# Allegro board 1119394-C028P02-36-DE2-C01_pcb.brd (continued)
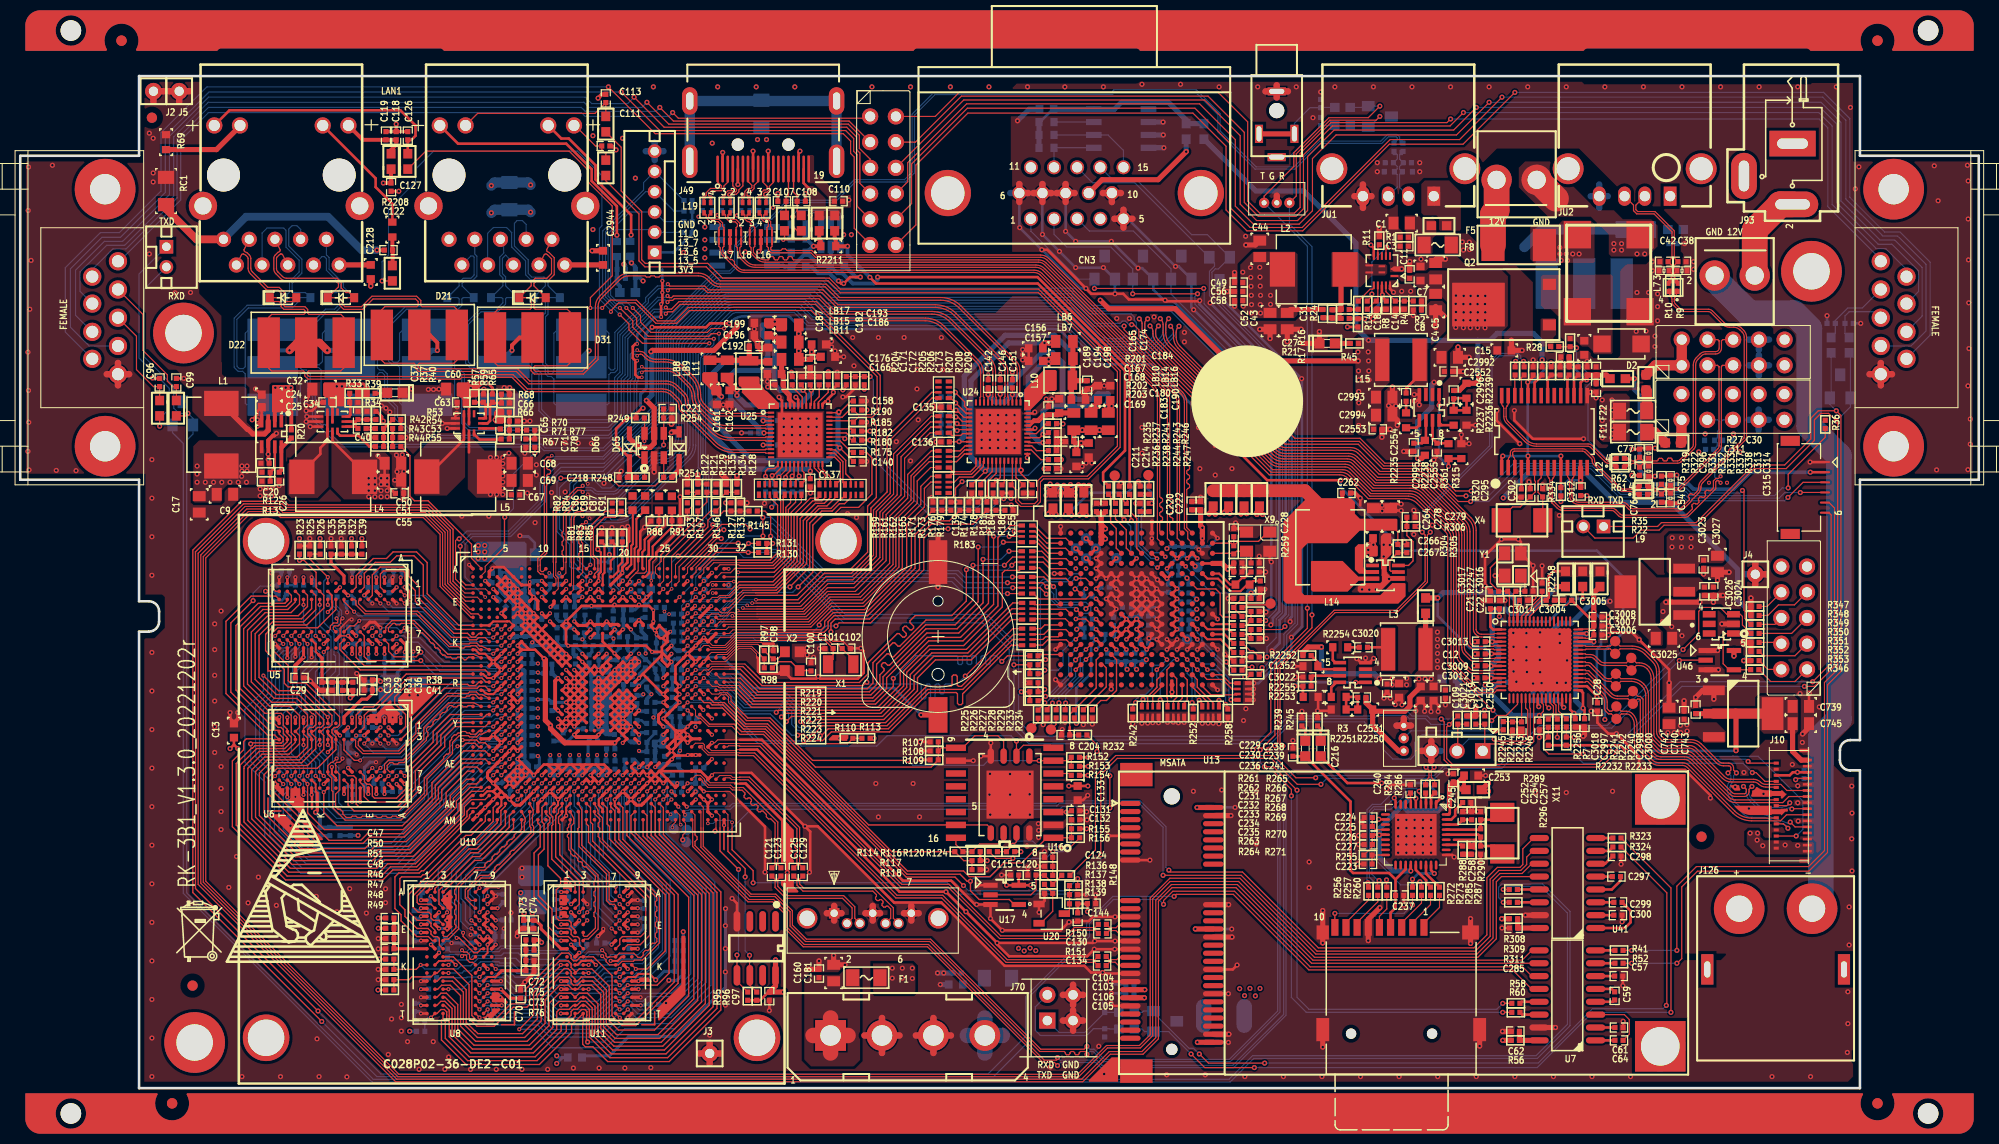
[diagram p0: board, top side]
## Routing (per net, layer and track width the routed paths; a pad name or vN(x,y) marks a point on that pad's centre or on a via; arc(x,y) is an arc through that point) (continued)
  TOP w0.254: C107.2 v2(74.83,88.39) ; U10.Y15 U10.W14 ; U10.W14 U10.V15 U10.U14 ; U10.W14 U10.V13 ; 71.09,33.45 72.8,33.45 86.84,19.41 v2(91.44,19.41) v2(93.41,17.44) v2(96.49,14.35) 96.52,14.35 ; v1(46.16,18.18) 46.16,18.18 U8.B9 46.58,18.58 v1(46.97,18.97) ; v2(49.83,62.74) 49.94,62.84 C71.2 ; C254.1 v2(143.89,27.33) C257.1 ; C254.1 v2(143.36,27.74) 143.36,28.14 R289.2 ; C254.1 v2(142.88,27.33) C252.1 ; v2(37.74,62.59) 37.62,62.46 37.62,61.98 ; v4(110.26,49.35) U32.F8 v2(110.26,50.35) ; v4(110.26,49.35) U32.G9 ; v4(110.26,49.35) U32.G8 v4(110.26,48.35) ; C174.2 v2(101.88,68.11) ; C193.2 79.83,73.48 ; 79.83,73.48 79.86,73.48 80.11,73.23 v2(80.14,73.23) ; 79.83,73.48 v2(80.14,73.79) ; v2(120.04,55.85) 119.86,55.68 C228.1 120.45,55.3 120.79,54.95 X9.2 ; C151.2 v2(97.99,70.74) ; U10.R13 U10.T12 53.91,38.93 ; U10.R13 U10.U15 U10.V14 ; U10.R13 U10.P14 ; C108.2 v2(77.55,88.39) ; 59.53,34.91 59.92,35.31 U10.AA20 ; 59.53,34.91 U10.AB20 59.92,34.52 v1(59.51,34.11) ; 59.53,34.91 U10.AA19 ; v2(123.57,51.99) 123.42,52.14 X9.4 ; v2(120.19,12.17) 119.76,11.73 U13.34 ; 71.09,34.42 73.25,34.42 87.17,20.5 91.95,20.5 94.3,18.15 v2(94.46,18.15) U17.3 v2(95.83,16.76) v2(97,15.6) 102.77,15.6 v2(103.58,16.41) 104.34,16.41 C134.2 105.54,16.51 105.96,16.93 v2(108.13,16.93) U13.21 ; U10.M18 57.91,42.11 ; 57.91,42.11 58.3,41.72 U10.N18 57.91,41.31 ; 57.91,42.11 U10.N17 57.52,41.72 ; v2(37.9,60.93) 37.62,60.66 C51.2 v2(36.98,60.07) ; C96.2 13.11,70.13 v2(13.07,70.17) ; v2(37.87,58.19) C55.2 v2(37.87,59.21) ; 29.67,67.77 C34.2 ; 29.67,67.77 28.83,66.93 v2(28.24,66.93) ; 29.67,67.77 29.08,67.77 28.75,67.44 v2(28.24,67.44) ; 74.93,40.97 73.08,40.97 72.87,41.17 72.87,42.47 72.8,42.55 ; 74.93,40.97 75.64,40.97 76.15,40.46 78.61,40.46 v2(78.82,40.67) 79.02,40.46 82.73,40.46 83.31,41.05 83.31,43.18 v2(83.03,43.46) 82.02,43.46 C102.1 ; 74.93,40.97 75.22,41.26 X2.2 ; v1(66.73,32.92) 66.32,32.92 U10.AD28 ; R70.2 v2(49.78,65.91) v2(50.34,65.91) ; U10.W20 U10.V21 U10.U20 ; U10.W20 v1(59.52,37.32) ; U10.W20 U10.Y19 ; v2(95.86,34.11) U18.4 v2(94.88,32.81) ; v2(41.35,69.06) C60.2 42.06,69.04 v2(40.82,69.04) v2(40.31,69.04) ; v2(136.4,57.71) 135.36,57.71 ; 135.36,57.71 C278.2 ; 135.36,57.71 135.99,57.07 v2(136.4,57.07) ; R226.1 101.42,36.3 v2(101.04,35.92) ; R2251.2 129.36,37.29 v2(128.14,37.29) ; v4(112.26,45.35) U32.L11 v4(112.26,44.35) U32.M11 ; v4(112.26,45.35) U32.K11 v4(112.26,46.35) U32.J11 v4(112.26,47.35) U32.H11 v4(112.26,48.35) ; v4(112.26,45.35) U32.K10 ; v2(59.36,60.96) 59.16,60.76 C218.2 ; v2(77.51,25.87) 78.03,25.35 78.03,21.41 v2(77.95,21.34) ; v2(77.51,25.87) 78.78,25.87 86.31,18.34 90.98,18.34 97.23,12.09 105.11,12.09 105.77,11.43 v2(106.91,11.43) 107.01,11.33 U13.35 ; v2(77.51,25.87) 72.22,31.15 71.09,31.15 ; v4(112.26,48.35) U32.H10 ; v4(112.26,48.35) U32.G10 ; U32.H10 U32.J9 U32.H8 v4(110.26,48.35) ; U32.H10 v4(111.26,48.35) ; U10.AA20 v1(60.32,35.72) ; U10.AA20 v1(59.52,35.72) ; U10.U13 U10.R15 U10.P14 ; U10.U13 53.91,38.93 ; U10.U13 v1(54.72,38.12) ; v2(135.28,53.67) 135.01,53.4 C267.1 ; v2(77.72,42.8) 77.41,43.12 77.33,43.12 ; U13.43 108,8.13 v2(107.75,8.38) ; C132.2 v2(105.36,26.52) ; U10.C8 50.32,49.93 50.32,49.94 v3(50.32,50.01) ; U10.C8 U10.C7 49.05,50.19 49.05,50.19 48.72,50.52 U10.B6 47.75,51.49 46.76,51.49 v1(46.63,51.36) ; U10.C8 v3(50.32,49.33) U10.D8 v1(50.72,48.52) ; C66.2 R68.2 48.34,68.68 ; 102.7,39.85 102.7,39.92 v2(102.26,40.36) ; U10.U19 U10.V18 U10.W19 ; U10.U19 59.12,38.54 58.73,38.93 ; U10.U19 U10.T20 60.34,38.9 ; U10.U19 v1(60.32,37.32) ; v4(111.26,49.35) U32.F9 ; v4(111.26,49.35) U32.G9 ; v4(111.26,49.35) U32.G10 ; U32.F9 v2(110.26,50.35) ; U32.F9 v4(111.26,50.35) ; v1(46.16,17.38) 46.16,17.38 U8.D8 v1(46.16,16.58) ; v2(105.28,61.77) 105.28,61.8 105.54,62.05 105.54,62.08 ; v2(111.48,44.45) 111.76,44.73 U32.L10 ; 138.19,68.15 U79.4 v2(137.69,68.54) ; 138.19,68.15 v2(138.19,67.51) ; 138.19,68.15 137.94,67.89 v2(137.69,67.89) ; C142.2 v3(95.61,70.54) ; v1(53.92,38.12) U10.V13 ; U10.V13 v1(54.72,38.12) ; 99.61,71.87 v2(99.01,72.47) ; 99.61,71.87 C157.2 99.11,71.86 v2(99.01,71.96) ; 99.61,71.87 C156.2 99.59,73.1 99.47,72.97 v2(99.01,72.97) ; v2(138.71,37.24) 138.71,37.9 138.33,38.28 C3019.2 137.85,37.81 v2(137.85,37.29) ; C158.2 v2(83.57,67.89) ; U32.G9 v4(110.26,48.35) ; U32.G9 v4(111.26,48.35) ; v2(110.26,50.35) U32.E9 v4(111.26,50.35) ; v2(110.26,50.35) U32.E8 ; RN9.8 v2(114.96,36.14) ; 47.51,29.33 U10.AJ5 47.73,28.73 47.52,28.73 ; 47.51,29.33 U10.AG3 ; 47.51,29.33 47.12,28.93 U10.AJ4 ; R234.1 v2(105.89,35.97) ; C2997.1 v2(150.04,34.67) ; RN9.7 v2(114.39,36.11) ; 60.34,38.9 59.96,38.52 U10.U20 ; 60.34,38.9 U10.U21 U10.V20 U10.W19 ; RN10.8 v2(112.43,36.1) ; C295.1 149.15,59.79 v2(149.02,59.92) ; U10.AJ4 46.74,29.3 46.74,29.34 U10.AH4 ; U10.AJ4 47.18,28.92 47.52,28.57 ; v1(53.12,36.52) v1(53.92,35.72) U10.AA12 ; v2(72.95,82.68) 73.15,82.88 U62.9 U62.10 ; R237.1 108.53,59.64 v2(108.71,59.82) ; v2(48.34,69.22) 48.34,68.68 ; 48.34,68.68 v2(47.8,69.22) ; v2(81.24,68.29) 81.57,68.29 82.47,69.19 R208.2 ; C245.2 v2(141.02,31.06) ; C226.2 v2(132.18,24.97) ; U43.15 154.77,68.44 v2(155.12,68.78) C315.2 v2(155.65,68.2) ; U32.M16 v4(118.26,43.35) ; R159.1 90.14,58.19 90.04,58.29 v2(90.04,58.37) ; C298.2 v2(158.11,22.12) ; v4(110.26,48.35) U32.H9 ; U32.H9 v4(111.26,48.35) ; U32.H9 U32.J10 ; U32.H9 U32.J8 ; 70.04,67.55 C162.2 v2(70.05,67.13) ; 70.04,67.55 70,67.51 v2(69.44,67.51) ; 70.04,67.55 C161.2 ; 96.52,14.35 96.52,14.17 97.66,13.03 105.38,13.03 v2(106.09,13.73) v2(108.1,13.73) U13.29 ; 96.52,14.35 105.94,14.35 v2(106.12,14.53) v2(108.13,14.53) U13.27 ; U10.AK30 v1(68.32,28.52) ; U10.AK30 U10.AL30 ; U10.AK30 v1(67.52,28.52) ; C196.2 v2(72.5,75.01) C199.2 ; U13.9 v2(107.48,24.93) ; U32.T16 v4(118.26,39.35) ; RN10.7 v2(111.86,36.11) ; v1(35.18,36.63) U6.D1 ; RN10.5 v2(110.78,36.05) ; v2(135.81,37.9) 135.81,38.21 C3021.2 136.47,38.32 v2(136.47,37.87) ; v2(105.44,28.93) 104.97,28.46 C133.2 ; U32.E5 v4(106.26,50.35) ; U32.E5 v4(107.26,50.35) U32.E6 v4(108.26,50.35) ; U32.E5 v4(106.26,51.35) U32.D5 v4(106.26,52.35) U32.C5 ; v2(97.89,57.61) 97.89,57.45 98.07,57.28 R183.2 ; v2(140.06,37.21) 140.06,37.85 139.61,38.29 C112.2 139.34,38.04 v2(139.34,37.21) ; R185.2 v2(83.59,65.81) ; R43.2 v2(34.49,64.29) ; v1(65.94,32.92) 65.89,32.87 64.77,32.87 ; v2(45.8,69.06) 45.75,69.01 R59.2 ; v2(100.9,82.84) 101.43,82.84 v2(105.26,79.02) 105.79,78.49 v2(108.13,78.49) 108.94,78.49 109.5,77.93 112.88,77.93 112.95,77.85 v2(113.08,77.85) 113.18,77.75 116.43,77.75 v2(116.5,77.81) ; v2(137.64,57.1) 137.77,56.97 C279.2 ; 77.33,43.12 X2.4 ; 77.33,43.12 v2(77.7,43.48) ; v2(161.47,63.24) D17.2 160.04,63.24 C77.2 v2(159.18,63.14) ; 63.2,31.32 v1(64.36,32.49) ; 63.2,31.32 U10.AF28 ; 63.2,31.32 U10.AF24 ; 57.12,41.32 U10.N16 U10.P15 ; R171.2 93.7,58.04 v2(93.98,58.32) C139.2 ; U10.AA26 65.52,34.52 ; U10.AA26 U10.Y25 ; U10.AA26 65.52,35.32 ; U10.AA26 U10.AB26 ; 65.52,34.52 v1(65.92,34.12) ; 65.52,34.52 U10.AB26 ; 65.52,34.52 v1(65.92,34.92) 65.52,35.32 ; 65.52,34.52 v1(64.32,33.32) ; C127.2 v2(37.39,88.62) ; C135.2 90.32,67.28 v2(90.2,67.41) ; C2530.2 v2(140.77,37.87) ; C120.2 v2(99.52,21.82) ; U32.M1 v4(102.26,43.35) ; U10.T13 54.31,39.32 53.91,38.93 ; U10.T13 U10.U14 ; U10.T13 U10.P15 ; C8.2 v2(137.59,76.35) ; R2248.1 v2(150.32,51.61) ; v1(53.12,35.72) v1(53.92,36.52) v1(54.72,35.72) ; RN11.7 v2(121.81,39.44) ; C3013.1 v2(143.69,44.12) ; U10.A32 69.96,51.32 v3(69.98,51.31) ; R320.2 v2(147.73,58.39) ; C136.2 v2(90.45,63.86) ; C97.1 v2(73.99,7.67) ; U32.C15 116.41,53.19 v4(116.41,53.22) ; J49.8 v2(72.38,92.58) ; U17.1 v2(94.55,20.05) ; C241.1 v2(122.94,49.3) ; 105.54,62.08 v2(105.84,61.77) ; 105.54,62.08 C190.2 ; C222.2 v2(116.59,58.39) ; R83.2 v2(58.45,55.4) ; v2(118.97,42.85) 119.13,42.7 119.33,42.7 119.81,42.21 119.81,42.19 R263.2 ; R265.1 122.38,48.74 v2(122.48,48.84) ; U10.R26 U10.P26 64.72,41.72 U10.M27 ; U10.AF24 U10.AG25 U10.AH26 ; U10.AF24 U10.AG23 ; R269.2 v2(123.09,44.42) ; U10.W19 U10.Y18 U10.AA19 ; C32.2 28.5,69.06 28.5,68.33 v2(28.24,68.07) ; U10.V14 v1(54.72,38.12) ; U10.V14 U10.W15 U10.Y14 v1(54.72,36.52) ; 62.81,52.58 62.81,52.91 v2(65.18,55.27) R91.2 v2(65.18,58.42) ; v2(78.36,42.57) 78.11,42.32 C100.1 ; C176.2 v2(73.8,69.82) ; U32.M12 v4(113.26,44.35) ; U32.M12 v4(113.26,43.35) ; U32.M12 v4(114.26,44.35) ; 57.91,41.31 57.52,41.69 57.52,41.72 ; 57.91,41.31 U10.P17 ; C300.2 v2(158.22,16.43) ; R228.1 v2(103.2,36.17) ; R108.2 v2(88.9,33.32) ; 71.09,30.1 71.65,30.1 75.77,25.98 v2(75.77,21.31) ; v2(78.05,58.8) 78.05,59.39 C137.2 ; C3008.1 v2(156.84,46.56) ; C225.1 132.74,25.98 v2(132.44,26.29) 132.74,26.59 C224.1 ; R136.2 v2(100.43,21.92) ; v4(111.26,50.35) U32.F10 v4(112.26,49.35) ; 65.52,35.32 v1(65.92,35.72) U10.Y28 U10.Y29 ; 65.52,35.32 U10.AC25 U10.AB26 ; U10.P14 U10.N15 U10.P16 ; R233.1 v2(105,35.92) ; U63.10 U63.9 v2(70.1,82.65) ; U9.10 42.97,66.54 v2(43.1,66.68) ; U11.D1 v1(53.43,16.98) ; C173.2 v2(80.7,70.74) ; 64.16,37.16 U10.V26 v1(65.12,38.12) ; 64.16,37.16 v1(63.52,36.52) ; 64.16,37.16 U10.W25 ; C165.2 101.55,67.87 v2(101.33,68.08) ; 57.52,41.72 v1(57.12,41.32) ; U25.43 76.84,68.04 v2(76.61,68.28) ; v1(33.58,28.31) U6.F9 ; C302.1 v2(150.37,59.61) ; U10.AF23 U10.AG24 v1(63.52,30.12) ; v2(141.63,22.83) 141.42,23.04 U34.28 ; v4(111.76,54.31) U32.B10 ; U10.U20 U10.W18 U10.Y19 ; U10.U20 U10.T19 58.73,38.93 ; 64.77,32.87 64.67,32.87 64.29,32.49 ; 64.77,32.87 v1(64.32,33.32) ; C3016.2 v2(149.43,51.63) Y1.2 148.22,53.98 v2(147.97,54.23) v2(146.3,54.23) v2(144.68,52.6) v2(144.68,49.63) C3017.2 ; v2(105.33,27.3) 105.23,27.41 C131.2 ; J49.11 v2(73.88,92.58) ; U10.U14 U10.T15 U10.R14 ; v2(134.7,38.53) 134.7,38.81 C109.2 135.33,38.79 v2(135.33,38.53) ; RN9.5 v2(113.32,36.15) ; v2(82.98,80.14) 81.97,80.14 v2(81.33,79.5) 81.08,79.5 v2(80.82,79.76) ; C76.2 v2(159.18,60.55) ; C3007.1 v2(156.87,45.67) ; v4(112.26,49.35) U32.G10 ; v4(112.26,49.35) U32.G11 ; 134.07,57.49 133.85,57.49 C264.2 ; 134.07,57.49 v2(134.53,57.04) ; 134.07,57.49 134.43,57.49 v2(134.52,57.58) ; R107.2 v2(88.87,34.21) ; RN12.8 v2(118.4,36.01) ; v2(77.01,92.58) 76.88,92.45 J49.17 ; v3(61.39,70.23) 61.01,70.23 60.76,70.48 60.76,71.7 v3(60.94,71.88) 60.76,71.88 60.5,72.14 60.5,73.28 60.76,73.53 v3(60.94,73.53) ; C63.2 v2(43.15,67.31) ; RN12.7 v2(117.83,36.07) ; U10.P15 U10.N14 ; v1(65.12,38.92) U10.U26 ; U32.A10 111.76,55.93 v4(111.79,55.96) ; v2(132,42.44) 132.4,42.05 U80.4 ; C146.2 v3(96.8,70.61) ; U11.G8 U11.G9 ; v4(108.26,50.35) U32.F6 v4(108.26,49.35) U32.G7 v4(108.26,48.35) ; v4(108.26,50.35) U32.E7 ; v4(108.26,50.35) U32.F7 ; v2(155.17,37.26) C28.2 155.78,36.12 156.87,35.03 v2(157.66,35.03) 159.89,32.79 v2(159.89,31.62) 160.07,31.45 164.44,31.45 166.94,28.94 v2(166.94,28.66) ; v4(115.26,43.35) U32.M14 ; v2(70.31,18.75) 70.79,18.26 U12.4 ; C61.2 v2(158.32,6.6) ; C214.2 v2(106.78,57.78) C211.2 ; U80.4 133.26,42.05 v2(133.68,42.47) ; U80.4 v2(132.87,42.5) ; C124.2 v2(101.17,23.37) ; v1(25.58,36.66) U6.T1 ; Y1.4 v2(145.67,50.64) ; v2(23.42,65.41) 23.42,65.5 U3.4 23.84,67.26 C25.1 23.83,67.28 23.42,66.88 23.42,66.55 v2(22.91,66.04) v2(23.42,66.04) ; v1(59.47,50.92) 59.47,51.44 59.97,51.94 59.97,53.85 60.15,54.03 60.15,55.35 v2(59.99,55.5) ; C2555.2 139.93,62.38 v2(139.62,62.08) ; 37.62,61.98 37.16,62.43 v2(37.16,62.56) ; 37.62,61.98 C50.2 37.62,61.62 37.21,61.21 v2(37.21,60.91) ; RN12.6 v2(117.33,36.06) ; v1(25.58,50.47) U5.T1 ; U10.AA19 U10.Y20 v1(59.52,36.52) ; C3005.1 v2(151.99,48.21) C3004.1 ; v2(100.63,17.37) U20.1 100.85,18.2 101.17,18.52 R139.2 ; U4.11 v2(28.24,65.86) ; U4.12 v2(28.64,65.36) ; C313.2 v2(154.76,71.81) ; v2(163.62,60.57) D13.2 162.9,60.48 C75.2 ; C1352.2 v2(125.83,41.68) ; C166.2 74.04,69.49 v2(73.83,69.28) ; U10.AB26 64.72,33.72 v1(64.32,33.32) ; 109.25,57.86 109.25,57.94 109.17,58.01 v2(109.17,58.06) ; v2(102.92,35.43) 102.84,35.36 C204.2 ; R118.2 v2(95.45,21.59) ; v2(128.14,37.29) 128.19,37.34 R2253.2 ; v2(128.14,37.29) R245.1 ; U9.11 v2(41.68,65.68) ; U2.14 135.29,78.98 v2(135.64,78.64) ; R186.2 v2(99.52,58.8) C155.2 ; R239.1 v2(126.59,37.24) ; U10.Y13 v1(54.72,36.52) ; v1(54.72,36.52) v1(53.92,37.32) ; C57.2 v2(158.29,10.13) ; C24.1 23.8,68.53 v2(23.24,69.09) ; v2(142.34,64.57) R315.2 v2(143.1,63.68) ; v1(63.3,76.2) v1(63.3,77.47) 63.42,77.6 v1(63.42,78.61) v1(63.42,79.76) ; C258.1 v2(144.25,22.45) ; 61.04,52.04 61.04,53.09 61.24,53.29 61.24,54.99 v2(61.67,55.42) 62.28,56.03 ; U10.AA18 U10.Y19 ; C296.2 v2(149.43,71.96) ; RN11.8 v2(121.83,40.02) ; C101.1 v2(78.94,43.43) ; U10.AF22 v1(61.92,30.92) v1(62.72,30.12) ; U8.T1 v1(39.58,7.38) ; U10.T26 v1(65.12,39.72) ; U10.AK6 v1(48.32,28.52) ; R290.1 v2(143.36,24.33) ; C194.2 v2(107.06,69.41) C198.2 ; C3006.1 v2(156.87,44.78) 157.12,45.03 159.18,45.03 v2(159.91,44.31) 162.86,41.35 v2(162.86,40.06) ; R85.2 v2(59.46,55.4) ; v4(114.26,43.35) U32.M13 ; v2(100.23,65.2) 100.1,65.07 U24.43 ; U25.49 75.24,66.34 U25.47 75.24,67.92 74.96,68.2 v2(74.96,68.28) ; v2(154.41,64.16) 149.4,64.16 147.57,65.99 v2(147.57,66.95) ; R333.2 v2(152.1,71.81) ; 61.93,52.58 62.08,52.73 62.08,54.05 63.73,55.7 v2(63.73,56.39) ; v2(24.28,58.52) 24.18,58.52 ; 73.38,43.92 74.4,43.92 74.37,43.89 C98.1 ; C223.2 v2(132.08,22.15) ; C237.2 v2(136.65,18.08) ; U32.A16 v4(118.26,54.35) ; R258.2 v2(119.28,36.09) ; R222.1 v2(99.29,40.06) ; C169.2 v2(102.79,61.21) ; U4.10 v2(28.3,66.36) ; U13.15 v2(111.58,22.53) ; v1(32.78,28.31) U6.G9 U6.G8 ; v4(108.26,48.35) U32.H7 ; v4(108.26,48.35) U32.G6 v4(107.26,48.35) U32.H6 v4(108.26,47.35) U32.J6 ; v2(148.11,63.68) 145.85,65.94 v2(145.85,66.95) ; U10.V19 U10.U18 58.73,38.93 ; U10.AF29 67.21,31.32 67.92,30.61 U10.AG30 ; v1(47.52,46.92) 47.92,47.32 U10.F5 ; C227.2 v2(132.18,24.08) ; v2(81.33,72.26) C186.2 v2(80.48,72.83) ; v2(123.04,47.04) 122.99,47.09 R266.2 ; RN9.6 v2(113.89,36.17) ; U10.AM12 v1(53.92,26.92) ; C3018.2 v2(148.29,34.85) ; C130.2 v2(105.28,19.13) ; R2236.2 v2(143.74,65.51) ; C183.2 v2(104.89,61.43) ; 137.31,29.97 135.36,29.97 v2(134.95,29.57) ; v2(176.71,39.01) 176.68,38.99 C739.2 ; 55.52,42.12 U10.M14 ; U10.W13 v1(54.72,37.32) ; C312.2 v2(154.74,58.55) ; C3012.1 v2(143.59,40.54) ; R110.1 v2(80.92,34.57) ; v1(54.72,40.52) U10.P13 ; U32.E10 111.76,50.8 v2(112.32,50.24) 112.71,49.85 U32.F11 ; R252.2 v2(115.85,36.09) ; R23.2 R25.2 ; v1(53.4,7.38) U11.T1 ; C238.1 v2(122.38,52.55) ; U9.12 v2(42.17,65.18) ; J120.1 v2(176.78,61.86) ; C253.2 v2(144.73,30.89) ; C285.2 v2(146.35,15.82) ; v2(73.56,21.34) 73.56,25.83 71.09,28.3 ; RN12.5 v2(116.75,36.05) ; v1(34.38,36.62) U6.E1 ; RN10.6 v2(111.36,36.07) ; v2(123.01,51) C239.1 122.38,51.03 ; v2(100.2,66.8) 100.07,66.67 U24.47 ; U32.J16 v4(118.26,46.35) ; C3009.1 v2(143.59,41.73) ; v1(61.12,30.92) U10.AF21 60.35,31.69 60.35,31.78 60.7,32.12 U10.AE21 ; RN11.5 v2(121.78,38.37) ; U32.A1 v2(102.76,55.49) ; RN11.6 v2(121.76,38.94) ; U16.10 v2(94.13,32.36) ; C99.2 v2(16.15,70.13) ; C115.2 v2(96.93,21.06) ; U13.40 v2(119.33,9.33) ; 132.36,57.58 v2(132.36,58.29) ; v1(35.18,50.47) 35.18,50.47 ; J49.2 v2(69.38,92.46) ; C216.2 v2(125.7,34.34) ; C53.2 v2(38.1,64.29) ; C140.2 v2(83.59,61.93) ; U8.E8 v1(46.16,15.78) ; v4(116.26,43.35) U32.M15 ; U13.37 v2(107.65,10.53) ; J49.5 v2(70.88,89.28) ; R305.2 v2(136.73,53.95) ; C144.2 v2(106.22,19.1) ; C3022.2 v2(125.93,40.61) ; v2(24.49,62.64) v2(24.49,62.13) ; R261.2 v2(119.3,48.39) ; R242.2 v2(109.88,36.02) ; D16.2 v2(161.46,60.46) ; C12.2 v2(143.69,42.9) ; C220.2 v2(116.13,57.96)
  TOP w0.305: v1(60.32,28.52) U10.AK20 ; v1(60.32,28.52) U10.AJ20 v1(59.52,29.32) ; v1(60.32,28.52) U10.AK21 60.87,27.97 61.36,27.97 U10.AK22 U10.AJ23 ; v1(60.32,28.52) U10.AJ21 v1(61.12,29.32) U10.AH22 v1(61.92,30.12) U10.AG23 ; v1(60.01,6.98) 60.41,7.38 U11.T9 ; U10.N15 55.52,42.12 v1(55.52,42.12) ; U10.AG25 v1(63.52,30.12) ; v1(36.78,50.47) 36.78,50.47 U5.B1 ; U10.AG8 v1(49.92,30.12) ; v1(35.58,45.49) 35.02,46.04 34.53,46.04 v1(33.98,45.49) ; v1(31.58,49.49) U5.J2 ; U10.T29 v1(67.52,38.92) ; U10.C18 59.47,50.87 v1(59.47,50.92) ; v1(38.52,48.29) 38.52,48.95 v1(37.98,49.49) ; U10.M3 v1(46.72,42.12) ; v1(46.72,42.12) U10.N3 ; v1(46.72,42.12) U10.M4 v1(47.52,42.92) U10.L5 ; v1(46.72,42.12) U10.N4 v1(47.52,41.32) ; U10.AJ17 v1(57.92,29.32) U10.AH18 ; v1(52.32,29.32) U10.AJ11 v1(53.12,28.52) U10.AJ12 v1(53.92,29.32) U10.AH13 ; v1(52.32,29.32) U10.AH11 ; v1(52.32,29.32) U10.AJ10 v1(51.52,28.52) U10.AK9 U10.AL9 ; 21.49,36.53 21.11,36.14 20.73,36.53 v2(20.73,37.11) ; 21.49,36.53 v2(21.49,37.11) ; 21.49,36.53 21.49,36.41 C13.2 ; U10.P14 v1(54.72,41.32) ; U10.H11 v1(52.32,46.12) ; U10.F28 v1(66.65,47.65) ; v1(54.72,46.12) U10.H14 U10.H15 v1(56.32,46.12) U10.H16 56.82,45.82 57.42,45.82 U10.H17 v1(57.92,46.12) U10.H18 58.42,45.82 59.02,45.82 U10.H19 ; v1(35.58,43.89) 35.18,44.29 U5.D8 ; v1(33.98,34.85) U6.E2 ; U10.H21 60.72,45.86 v1(61.11,46.25) 61.52,45.85 U10.H22 ; U10.AH26 64.9,29.9 v1(64.9,30.12) ; U10.C3 v1(45.92,50.12) ; U10.D12 v1(53.92,49.32) ; v1(65.92,42.92) U10.M27 ; v1(65.92,42.92) U10.M28 arc(66.52,42.32) v1(66.72,42.12) ; v1(65.92,42.92) arc(66.12,43.12) U10.L28 v1(66.72,43.72) U10.K29 v1(67.52,44.52) U10.K30 68.32,44.52 U10.J31 ; v1(28.78,36.63) U6.M1 ; U6.M9 v1(28.78,28.99) ; v1(47.48,10.58) U8.M9 ; v1(55.52,50.12) U10.C14 55.12,49.72 v1(55.52,49.32) U10.D14 ; v1(52.37,47.55) 52.72,47.89 U10.E11 ; U10.U6 v1(49.12,38.12) U10.U7 ; U10.U6 v1(48.32,38.92) U10.T6 ; U10.U6 v1(48.32,38.12) U10.V6 v1(48.32,37.32) ; U10.AB28 v1(65.92,34.92) ; U10.AB28 v1(65.92,34.12) ; U10.AB28 U10.AB29 ; v1(27.18,28.78) U6.P9 ; v1(37.18,47.89) U5.B3 ; v1(47.43,8.98) U8.P9 ; U10.W14 v1(54.72,36.52) ; U10.T4 v1(47.52,39.72) U10.R5 ; U10.AK28 v1(66.72,28.53) ; U10.W19 v1(59.52,36.52) ; v1(27.18,36.63) U6.P1 ; U10.Y20 v1(60.32,35.72) ; U10.AF19 v1(58.72,30.92) ; v1(39.59,16.98) U8.D1 ; U10.AG16 v1(56.32,30.12) U10.AG15 v1(55.52,30.12) ; U10.AG16 v1(57.12,30.12) U10.AG17 ; U10.AG16 v1(56.32,30.92) U10.AF16 ; U10.P13 v1(53.92,41.32) ; U10.N28 v1(66.72,42.12) ; v1(66.72,42.12) U10.M29 ; v1(41.36,15.78) U8.E2 ; U10.AL30 v1(68.32,26.92) ; U10.N29 v1(67.52,42.12) U10.M30 ; v1(59.52,29.32) U10.AJ19 v1(58.72,28.52) ; v1(59.52,29.32) U10.AH20 ; v1(51.52,46.92) U10.G10 v1(52.32,46.92) ; U10.D16 v1(57.12,49.32) U10.D17 ; U5.P1 v1(27.18,50.47) ; U10.V19 v1(59.52,37.32) ; v1(27.18,42.63) U5.P9 ; U10.W30 v1(68.32,36.52) ; U10.T13 v1(53.92,39.72) ; U10.Y14 v1(54.72,35.72) ; U10.F9 U10.E9 v1(50.72,48.52) U10.E8 ; v1(46.72,33.32) U10.AC4 v1(47.52,34.12) ; C41.2 R38.2 33.87,40.34 v2(33.23,40.98) ; U10.AG24 v1(62.72,30.12) ; U10.Y25 v1(63.52,36.52) ; v1(55.21,13.38) U11.J2 ; U10.E4 v1(46.72,48.52) ; U5.M1 v1(28.78,50.47) ; U10.AF23 v1(61.92,30.92) ; v1(32.78,50.47) 32.78,50.47 U5.G1 ; v1(57.12,50.12) U10.C16 ; U5.T9 25.58,43.49 v1(25.18,43.89) ; U10.AA30 v1(68.32,34.92) ; U10.AJ4 v1(46.72,28.52) U10.AK3 v1(45.92,27.72) U10.AL2 v1(45.12,26.92) U10.AM1 ; U11.P9 v1(61.27,8.98) ; U10.AJ30 v1(68.32,28.52) ; U10.V29 67.12,37.71 v1(67.46,37.36) ; U10.AB2 U10.AB3 v1(46.72,34.92) ; U10.Y12 v1(53.12,36.52) ; v1(47.52,41.32) U10.P4 v1(46.72,40.52) ; v1(47.52,41.32) U10.N5 ; U10.E16 v1(56.32,48.52) U10.E15 ; U10.V13 v1(53.92,37.32) ; v1(37.18,43.89) U5.B9 ; U10.E13 v1(53.92,48.52) U10.E12 ; U10.Y7 v1(49.12,35.72) ; U10.M20 v1(60.32,42.92) ; U10.A1 v1(44.34,51.7) ; v1(46.16,14.18) 46.56,14.58 U8.G9 v1(46.16,14.98) U8.G8 v1(45.36,14.98) ; U10.AJ29 v1(67.52,28.52) ; U10.AC7 v1(49.12,33.32) U10.AC6 v1(48.32,33.32) U10.AD5 v1(47.52,32.52) U10.AE4 U10.AF3 46.15,31.15 46.15,30.69 U10.AG3 v1(46.72,30.12) U10.AG4 ; U10.D23 61.91,48.51 v1(61.87,48.51) 61.87,48.48 U10.E22 ; v1(33.58,42.91) U5.F9 ; v1(32.78,36.62) U6.G1 ; U10.AK6 48.87,27.97 49.36,27.97 U10.AK7 U10.AJ8 v1(50.72,29.32) U10.AH9 ; U10.D10 v1(51.52,49.32) ; v1(28.78,42.58) U5.M9 ; U10.P16 57.12,41.32 v1(57.12,41.32) 57.12,41.32 U10.P17 ; U10.U26 v1(65.12,38.12) ; v1(25.18,30.05) 25.58,29.65 U6.T9 ; v1(46.16,16.58) U8.E8 ; v1(37.18,43.09) U5.A9 ; U10.R13 v1(53.92,40.52) ; v2(49.84,10.48) 49.43,10.07 C70.2 ; U10.E20 v1(59.52,48.52) U10.E19 ; U8.F9 v1(46.16,15.78) ; v1(39.58,10.58) U8.M1 ; v1(34.78,43.89) 34.38,44.29 U5.E8 ; v1(46.72,34.92) U10.AB4 v1(47.52,34.12) ; v1(46.72,34.92) U10.AA4 v1(47.52,35.72) U10.Y5 ; v1(37.18,30.05) U6.A9 ; U10.AJ5 v1(48.32,28.52) U10.AJ6 ; v1(34.78,30.85) U6.E8 ; U10.AH29 v1(67.52,29.32) ; v1(57.09,15.03) 57.59,15.53 v1(57.59,15.73) ; U10.AG30 v1(68.32,30.92) ; v1(42.16,18.98) U8.B3 ; U10.U13 v1(53.92,38.12) ; v1(36.38,30.05) U6.B9 ; U10.AF21 v1(60.32,30.92) ; U10.AE30 v1(68.32,32.52) ; U10.G5 v1(47.52,46.92) ; C35.2 v2(30.69,54.31) ; v1(60.01,15.78) U11.E8 59.61,16.21 59.98,16.58 v1(60.01,16.58) ; v1(60.98,15.38) 60.98,15.38 U11.F9 ; v1(36.78,36.62) U6.B1 ; v1(60.98,18.58) 60.98,18.58 U11.B9 60.41,18.58 v1(60.01,18.18) ; U10.AD25 v1(64.32,33.32) U10.AC25 ; U10.B30 v1(68.32,50.92) ; U10.V20 v1(60.32,37.32) ; v1(64.36,32.49) 64.29,32.49 U10.AE25 ; U10.Y13 v1(53.92,35.72) ; U10.D4 v1(46.72,49.32) ; U10.AF28 U10.AF29 ; R25.2 v2(28.6,54.31) ; U11.B1 v1(53.43,18.58) ; v1(60.98,14.58) 60.98,14.58 U11.G9 ; U10.AF22 v1(61.12,30.92) ; U8.G1 v1(39.59,14.58) ; v1(37.18,34.05) U6.B3 ; U5.E1 34.38,50.47 v1(34.38,50.47) ; v1(61.07,10.58) 61.07,10.58 U11.M9 ; U10.U14 v1(54.72,38.12) ; U8.T9 46.56,7.38 v1(46.16,6.98) ; U10.E18 v1(58.72,48.52) ; U10.B3 46.32,51.04 v1(46.63,51.36) ; R48.2 v2(35.36,10.72) ; v1(47.52,34.12) U10.AB5 ; U11.B3 55.61,18.58 v1(56.01,18.18) ; U10.AC30 v1(68.32,34.12) ; v1(39.59,18.58) U8.B1 ; v1(35.58,30.85) U6.D8 ; v2(35.36,13.77) C48.2 ; v1(60.01,17.38) U11.D8 ; U10.R14 v1(54.72,40.52) ; v1(65.94,32.92) U10.AD28 U10.AD29 ; v1(46.97,18.97) U8.A9 ; U10.AA12 v1(53.12,35.72) ; U10.H6 v1(48.32,45.32) ; v1(68.25,47.62) 68.22,47.62 U10.F30 U10.G29 ; 31.6,44.71 U5.J8 ; U10.Y19 v1(59.52,35.72) ; R47.2 v2(35.36,11.73) ; v1(60.01,18.98) 60.41,19.38 U11.A9 ; U5.G8 v1(32.38,44.69) ; U10.C10 v1(51.52,50.12) ; U10.AH28 v1(65.94,29.34) ; U10.R26 v1(65.12,39.72) ; U10.C20 v1(60.22,50.02) ; U10.AE6 v1(48.32,31.72) ; v1(53.43,16.18) U11.E1 ; v1(53.43,14.58) U11.G1 ; U10.T26 v1(65.12,38.92) ; U10.C12 v1(53.92,50.12) ; v1(39.59,16.18) U8.E1 ; R51.2 v2(35.36,14.78) ; U10.J6 v1(48.32,44.52) ; 35.18,50.47 U5.D1 ; R30.2 v2(31.71,54.31) ; v1(39.58,8.98) U8.P1 ; U10.AM32 v1(69.52,25.98) ; v1(32.78,42.91) U5.G9 ; U10.AF13 v1(53.92,30.92) ; U10.C27 v1(65.9,50.1) ; v1(41.36,13.38) U8.J2 ; U10.V14 v1(54.72,37.32) ; v1(31.58,34.85) U6.J2 ; U10.L25 v1(64.32,43.72) ; v1(53.42,10.58) U11.M1 ; v1(53.42,8.98) U11.P1 ; U10.AF10 v1(51.52,30.92) ; v1(33.98,48.69) U5.E2 ; v1(55.21,16.58) U11.E2 ; U10.P7 v1(49.12,40.52) ; U10.T14 v1(54.72,39.72) ; U10.E21 v1(60.32,48.52) ; U10.W13 v1(53.92,36.52)
  TOP w0.381: C73.2 R76.2 50.75,11.4 v2(49.84,10.48) ; C54.2 162.9,57.89 D12.2 163.76,57.79 v2(163.91,57.94) ; C26.2 v2(25.58,59.54) ; C74.2 R73.2 49.46,15.77 49.08,15.39 v2(49.08,15.04) ; C262.2 131.85,58.8 v2(132.36,58.29) ; R29.2 C33.2 29.6,39.3 v2(28.68,40.22) 28.36,40.54 C29.2 ; v2(25.3,64.69) 25.1,64.49 24.97,64.49 24.49,64.01 U3.6
  TOP w0.508: C182.2 v2(78.03,70.76) C172.2 ; C172.2 v2(78.49,70.31) R205.2 ; C172.2 v2(77.6,70.31) C171.2 ; C56.2 v2(119.18,78.71) ; 135.53,67.06 135.53,67.08 v2(135.86,67.41) ; 135.53,67.06 C2994.2 136.02,66.01 v2(136.02,65.51) ; 135.53,67.06 v2(135.15,67.44) ; C44.2 122,83.31 v2(121.06,83.31) ; R202.2 v2(102.36,63.42) C168.2 ; v2(80.34,13.11) C181.2 v2(81.46,12.19) ; v2(134.49,64.31) C2553.2 v2(135.31,65.1) ; v2(128.32,74.75) D87.C v2(126.64,73.58) ; v2(133.6,76.02) 133.93,76.35 C18.2 R8.2 ; v2(170.13,44.04) R351.2 R352.2 ; v2(154.38,34.77) 154.51,34.9 C3000.1 C2998.1 ; v2(170.94,48.44) R347.2 R348.2 ; v2(149.5,48.46) 149.25,48.21 C3014.1 ; v2(135.81,76.33) C14.2 R4.2 ; C168.2 v2(102.36,64.31) C167.2 ; C168.2 v2(102.82,63.88) C180.2 ; C740.2 v2(164.34,38.28) ; U13.18 v2(119.35,18.13) ; U41.15 v2(148.67,17.09) ; v2(77.7,11.73) C160.2 v2(78.89,12.57) ; C3024.2 v2(168.17,48.69) ; C3024.2 v2(167.23,48.01) ; C3024.2 C3026.2 ; U13.4 v2(119.58,26.93) ; v2(125.15,73.76) C43.2 v2(126.52,74.98) ; v2(167.64,50.19) C3027.2 v2(168.78,50.98) ; R254.2 64.36,65.66 v2(64.31,65.61) ; C58.2 v2(119.94,77.27) ; v2(69.32,60.6) 69.75,60.17 R134.1 R135.1 ; R133.1 v2(71.78,57.84) ; U13.50 v2(119.38,5.33) ; C184.2 105.22,68.49 v2(104.98,68.73) 105.03,68.73 C189.2 v2(105.79,69.09) 106.11,69.41 C194.2 ; v2(148.34,72.9) C15.2 v2(147.28,73.9) ; C2552.2 v2(142.52,70.82) ; 168.84,45.87 v2(168.07,45.87) ; v2(128.65,17.55) J113.10 v2(128.65,14.35) ; v2(90.65,54.61) BT1.2 v2(90.65,49.5) ; 139.8,77.11 C4.2 v2(139.8,75.18) ; 139.8,77.11 139.8,77.24 ; 139.8,77.11 v2(140.61,76.3) ; U33.2 v2(62.61,60.88) ; v2(134.29,17.83) 133.15,16.69 J113.6 v2(133.15,14.58) ; C187.2 73.42,73.16 v2(73.18,72.92) 73.18,72.97 C192.2 v2(72.82,73.74) 72.5,74.05 C196.2 ; U2.2 v2(136.45,80.95) ; C22.1 v2(146.63,48.18) ; C743.2 v2(165.48,38.61) 166.18,39.31 U102.1 v2(167.28,38.43) ; C11.2 v2(137.24,81.69) ; C2995.2 v2(136.65,62.92) ; C2993.2 v2(135.53,69.27) ; R11.2 v2(134.24,85.01) ; v2(176.05,35) 176.68,35.64 C745.2 ; v2(143.25,16.75) J113.11 v2(143.25,14.3) ; J113.13 v2(144.15,4.17) ; v2(143.1,72.21) C2992.2 v2(142.01,73.23) ; v2(122.43,74.98) C52.2 v2(123.44,74.07) ; C21.2 v2(144.5,48.18) ; U13.26 v2(119.69,14.93) ; C62.2 v2(146.41,5.61) ; C49.2 v2(119.94,80.59) ; C2128.1 v2(34.62,79.25) ; R122.2 v2(65.89,60.48) ; J113.9 v2(128.65,4.06) ; C742.2 v2(162.86,40.06) ; C3023.2 v2(166.27,50.8) ; U46.3 v2(167.73,41.34) ; 139.8,81.92 v2(140.77,81.92) ; U7.15 v2(151.64,5.99) ; U46.1 v2(167.65,43.24) ; C2944.1 v2(56.49,82.74) ; v2(165.9,48.02) v2(162.55,48.02)